# Altium PCB AMT5000-24.PcbDoc (continued)
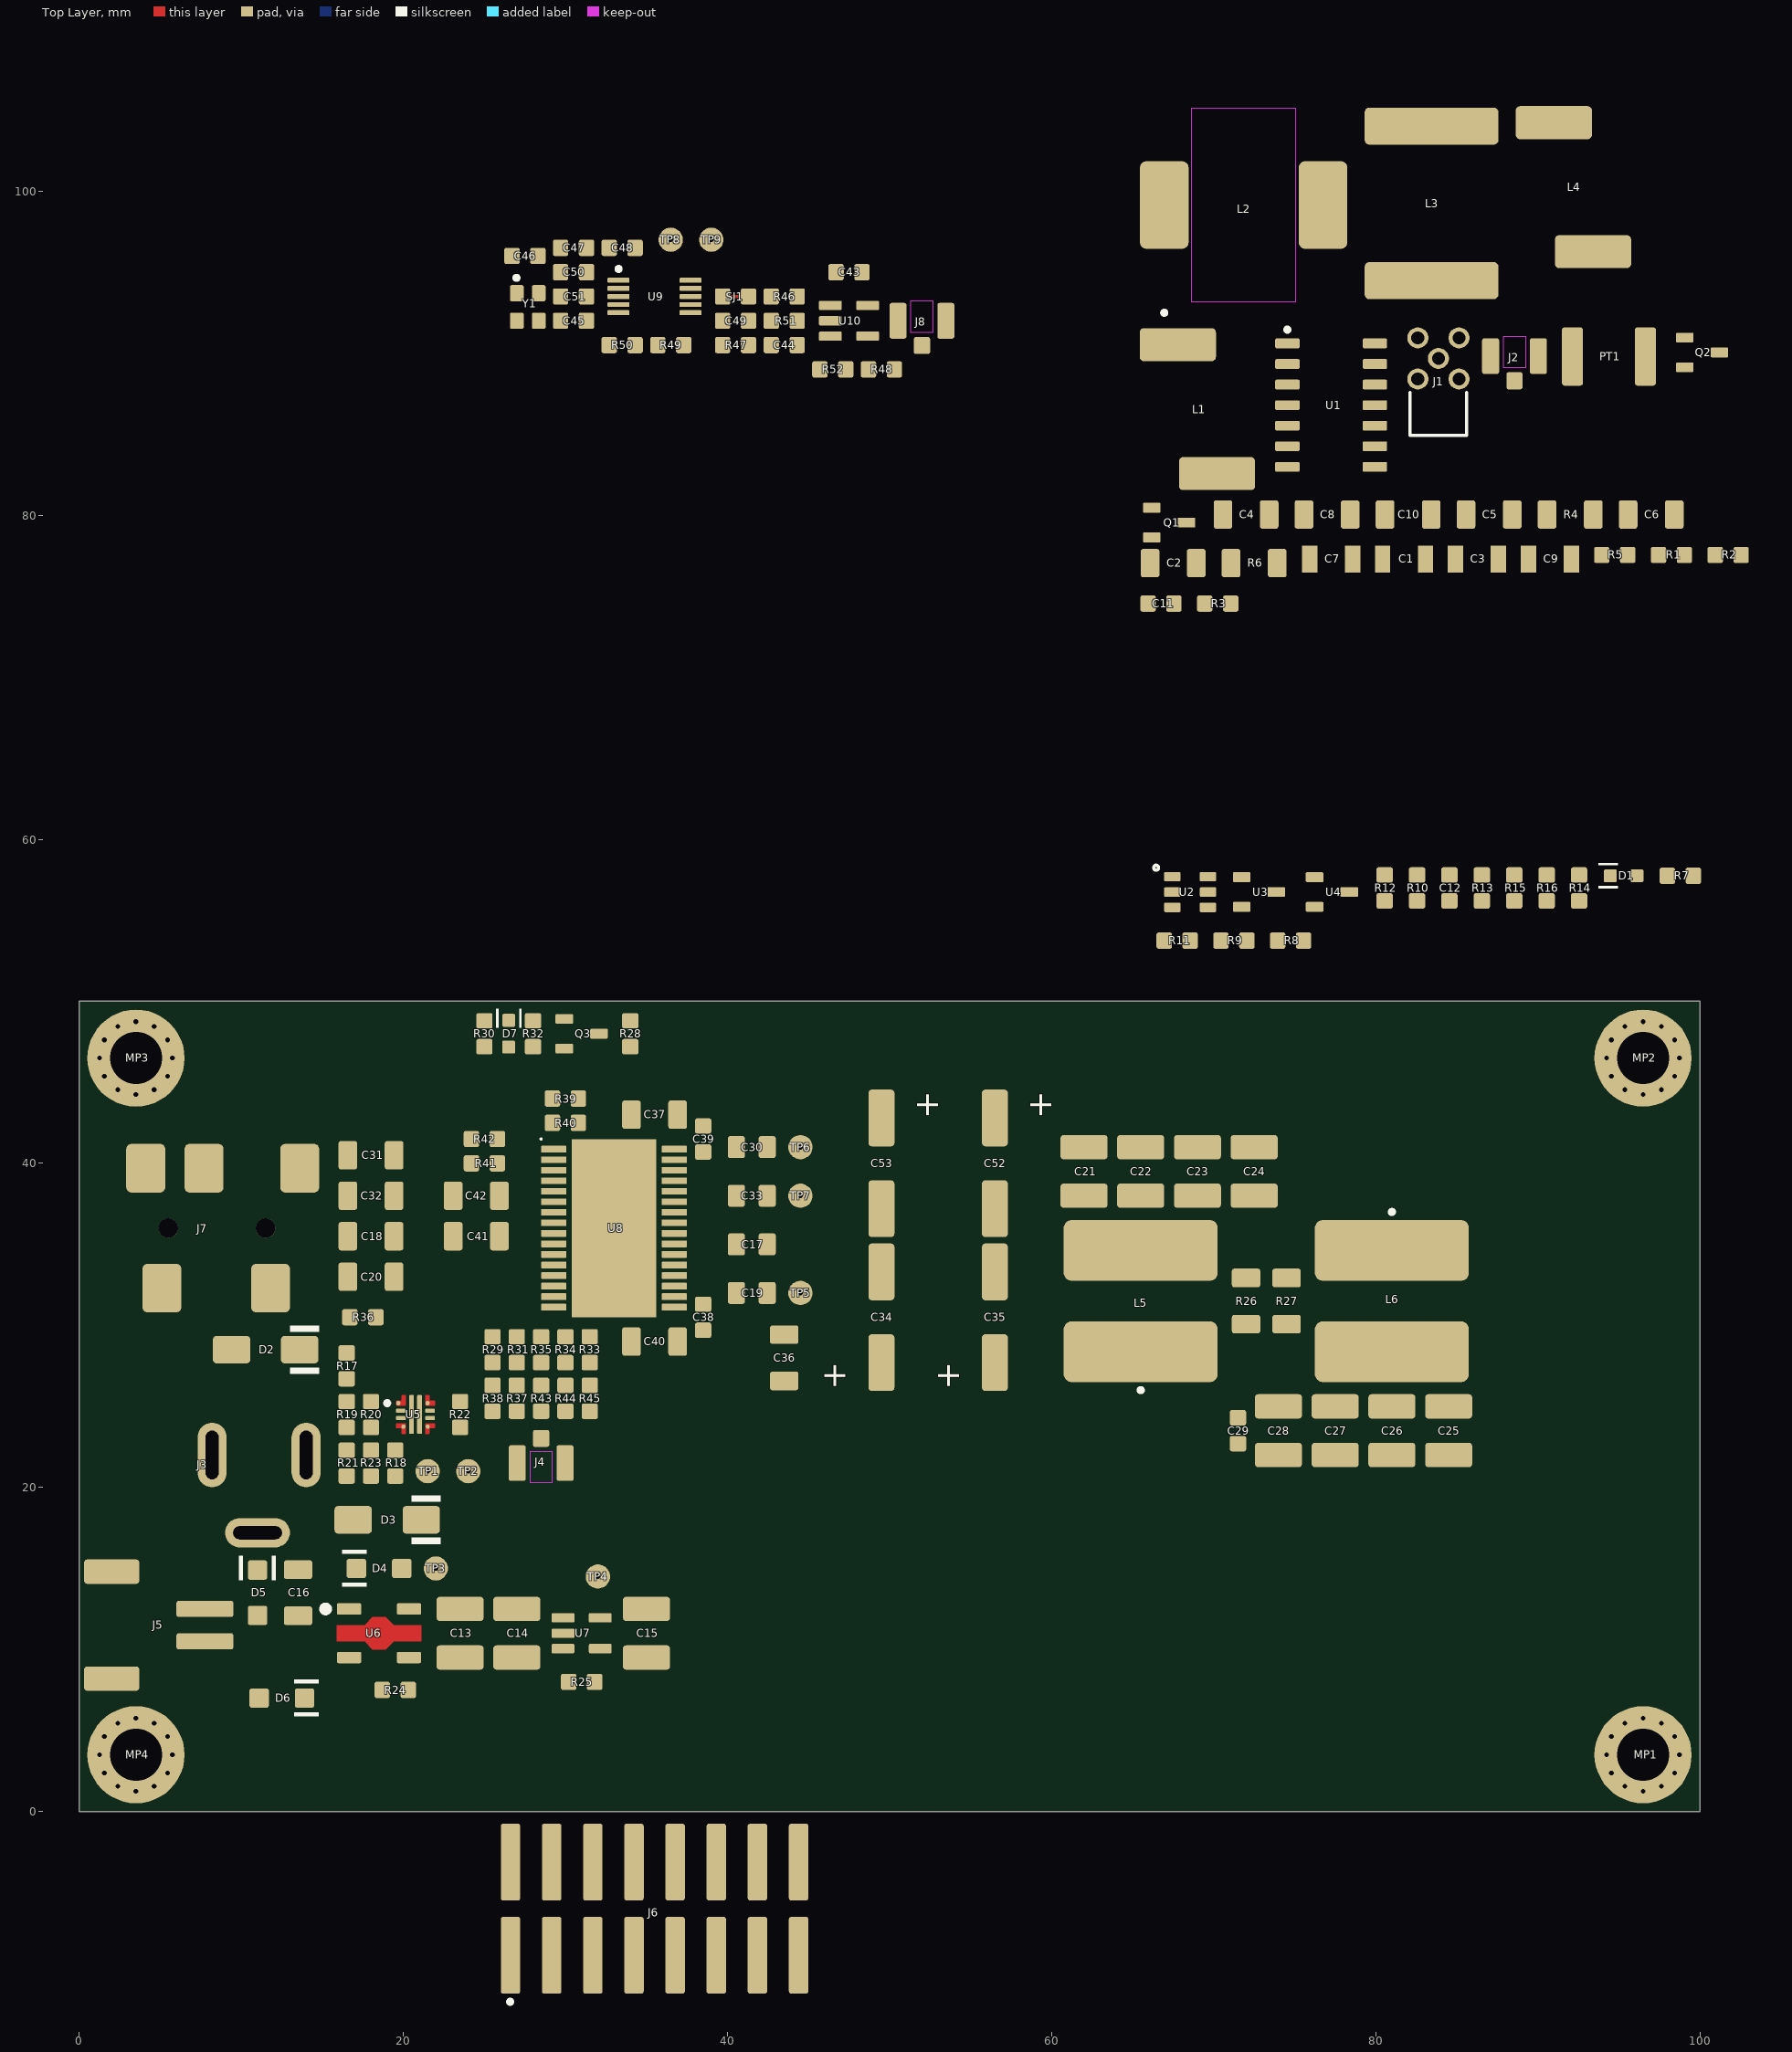
[diagram p0: Top Layer view]
## Footprints (in the part's own frame and the unit in brackets; to place one, negate y for a bottom-side part, rotate by r counter-clockwise, add the part's x,y. Pads: shape width x height; smd on the part's side, far side on the other; paste and mask are expansions set on the pad)
0603-C-N [mm]
  rrect25% 0.95x1 smd: 1(-0.8,0) 2(0.8,0)
  body extent -0.8,-0.4 0.8,0.4, height 0.81
0603-R-N [mm]
  rrect25% 0.95x1 smd: 1(-0.8,0) 2(0.8,0)
  body extent -0.8,-0.4 0.8,0.4, height 0.47
0805-C-N [mm]
  rrect25% 1.05x1.35 smd: 1(-0.95,0) 2(0.95,0)
  body extent -1,-0.63 1,0.63, height 1.26
1206-C-L [mm] "Chip Capacitor, 2-Leads, 1206, IPC High Density"
  rect 0.95x1.65 smd: 1(-1.325,0) 2(1.325,0)
  body extent -1.6,-0.8 1.6,0.8, height 1.16
1206-C-N [mm] "Chip Capacitor, 2-Leads, 1206, IPC Medium Density"
  rrect25% 1.15x1.75 smd: 1(-1.425,0) 2(1.425,0)
  body extent -1.6,-0.8 1.6,0.8, height 1.16
1206-R-N [mm] "Chip Resistor, 2-Leads, 1206, IPC Medium Density"
  rrect25% 1.15x1.75 smd: 1(-1.425,0) 2(1.425,0)
  body extent -1.6,-0.8 1.6,0.8, height 0.62
61231620621 [mm] "WR-BHD 2.54mm Male SMT Box Header (Reel), 16p"
  rrect25% 4.75x1.2 smd: 1(-2.875,8.89) 2(2.875,8.89) 3(-2.875,6.35) 4(2.875,6.35) 5(-2.875,3.81) 6(2.875,3.81) 7(-2.875,1.27) 8(2.875,1.27) 9(-2.875,-1.27) 10(2.875,-1.27) 11(-2.875,-3.81) 12(2.875,-3.81) 13(-2.875,-6.35) 14(2.875,-6.35) 15(-2.875,-8.89) 16(2.875,-8.89)
  silkscreen extent -5.87,8.78 -5.63,9.03, body extent -4.75,-13.97 4.88,13.97, height 11.35
620102131822 [mm] "2.00mm SMT Male Horizontal Shrouded Header, 2p"
  rrect25% 1x3.5 smd: 1(-1,1.75) 2(1,1.75)
  rrect25% 1.5x3.4 smd: MP1(-3.3,-4) MP2(3.3,-4)
  body extent -4,-5.6 4,3, height 5.57
694106301002 [mm] "DC Power Jack Right Angled(6.4)"
  oval 4x1.8 hole 0.8 slot 3 at 0 deg: 1(0,6.35) 2(0,0.55)
  oval 1.8x4 hole 0.8 slot 3 at 90 deg: 3(4.8,3.35)
  body extent -4.5,-7.25 5,7.25, height 10.75
66011002111501 [mm] "MMCX PCB THT Jack"
  round 1.3 hole 0.8: 1(0,0) 2(-1.27,1.27) 3(1.27,1.27) 4(1.27,-1.27) 5(-1.27,-1.27)
  silkscreen extent -1.75,-4.75 1.75,-2.1, body extent -1.75,-4.75 1.75,1.75, height 3.8
DO-214AC_UNI [mm] "SMA : 2-Leads. body 4.24x2.67mm"
  rrect25% 2.3x1.7 smd: 1(-2.1,0) 2(2.1,0)
  silkscreen extent -3.3,-1.5 -1.5,1.5, body extent -2.56,-1.33 2.56,1.34, height 2.24
FP-SOD123W-MFG [mm]
  rrect25% 1.2x1.2 smd: 1(-1.4,0) 2(1.4,0)
  silkscreen extent -2.29,-1.14 -0.76,1.14, body extent -2.2,-1.05 2.2,1.05, height 0.25
GDT_4532 [mm]
  rrect25% 1.3x3.6 smd: 1(-2.25,0) 2(2.25,0)
  body extent -2.22,-1.52 2.28,1.68, height 2.71
HRS-U.FL-R-SMT_V [mm] "SMD, 3-Leads, Body 2.6x2.6mm"
  rrect25% 1.05x2.2 smd: 1(-1.475,0) 2(1.475,0)
  rrect25% 1x1.05 smd: 3(0,-1.525)
  Top Layer keep-out region: -0.7,-0.7 0.7,-0.7 0.7,1.2 -0.7,1.2
  body extent -1.48,-1.55 1.52,1.55, height 1.25
IND_2929SQ-331 [mm]
  rrect25% 2.29x8.26 smd: 1(-4.77,0) 2(4.77,0)
  body extent -5.33,-3.88 5.33,3.87, height 7.5
PTH-M3D6.5_VIA-RING [mm]
  round 6 hole 3.2: 1(0,0)
SJ2-35863B1-SMT-TR-Footprint-1 [mm]
  rrect25% 2.4x3 smd: 1(-2.4,-3.7) 2(4.3,-3.7) 3(0.2,3.7) 4(6.1,3.7) 5(-3.4,3.7)
  round 1.2 hole 1.2 unplated: MP1(-2,0) MP2(4,0)
  body extent -7,-4.5 7,4.5, height 5
SJ_0603_1A [mm]
  rrect25% 0.95x1 smd: 1(-0.8,0) 2(0.8,0)
  Top Layer lines w0.2: 0.8,0 -0.8,0
  body extent -0.8,-0.4 0.8,0.4, height 0.47
SOIC14-N [mm] "SOIC, 14-Leads, Body 8,65x3,90mm, Pitch 1,27mm, IPC Medium Density"
  rrect25% 1.5x0.6 smd: 1(-2.7,3.81) 2(-2.7,2.54) 3(-2.7,1.27) 4(-2.7,0) 5(-2.7,-1.27) 6(-2.7,-2.54) 7(-2.7,-3.81) 8(2.7,-3.81) 9(2.7,-2.54) 10(2.7,-1.27) 11(2.7,0) 12(2.7,1.27) 13(2.7,2.54) 14(2.7,3.81)
  silkscreen extent -2.82,4.54 -2.57,4.78, body extent -3,-4.35 3,4.35, height 1.75
SOT25-N [mm] "SOT-23-5 IPC Nominal, EIAJ SC-74A, SOT753, TSOP5"
  rrect25% 1.407x0.576 smd: 1(-1.151,0.95) 2(-1.151,0) 3(-1.151,-0.95) 4(1.151,-0.95) 5(1.151,0.95)
  body extent -1.42,-1.5 1.42,1.5, height 1.2
SOT-23-3-N [mm] "SOT-23, 3-Leads, Body 3x1.4mm, Pitch 0.95mm, IPC Medium Density"
  rrect25% 1.09x0.61 smd: 1(-1.07,0.915) 2(-1.07,-0.915) 3(1.07,0)
  body extent -1.22,-1.5 1.22,1.5, height 1
SOT-23-6 [mm]
  rrect20% 1x0.58 smd: 1(-1.1,0.95) 2(-1.1,0) 3(-1.1,-0.95) 4(1.1,-0.95) 5(1.1,0) 6(1.1,0.95)
  silkscreen extent -2.25,1.35 -1.95,1.65, body extent -1.4,-1.45 1.4,1.45, height 1.45
SOT-89-MT5_N [mm] "SOT89, 5-Leads, Body 4.5x2.4 mm, Pitch 1.5mm, Lead Span 4.2mm, IPC Medium Density"
  rrect25% 1.5x0.7 smd: 1(-1.85,1.5) 3(-1.85,-1.5) 4(1.85,-1.5) 5(1.85,1.5)
  round 0.025 smd: 2(0,0)
  Top Layer region: -2.6,-0.5 -2.6,0.5 -0.9,0.5 -0.4,1 0.4,1 0.9,0.5 2.6,0.5 2.6,-0.5 0.9,-0.5 0.4,-1 -0.4,-1 -0.9,-0.5
  silkscreen extent -3.44,1.36 -3.16,1.64, body extent -2.24,-2.25 2.26,2.25, height 1.54
TP_1.5mm_0.3mmHole [mm] "Centering hole to keep your DMM-probe in place so that it doesn't skid off to other signals."
  round 1.5 / inner round 0.6 / far side round 0.6 hole 0.3: 1(0,0)
TSSOP28_PPad [mm]
  rrect25% 1.57x0.41 smd: 1(-3.72,4.875) 2(-3.72,4.225) 3(-3.72,3.575) 4(-3.72,2.925) 5(-3.72,2.275) 6(-3.72,1.625) 7(-3.72,0.975) 8(-3.72,0.325) 9(-3.72,-0.325) 10(-3.72,-0.975) 11(-3.72,-1.625) 12(-3.72,-2.275) 13(-3.72,-2.925) 14(-3.72,-3.575) 15(-3.72,-4.225) 16(-3.72,-4.875) 17(3.72,-4.875) 18(3.72,-4.225) 19(3.72,-3.575) 20(3.72,-2.925) 21(3.72,-2.275) 22(3.72,-1.625) 23(3.72,-0.975) 24(3.72,-0.325) 25(3.72,0.325) 26(3.72,0.975) 27(3.72,1.625) 28(3.72,2.275) 29(3.72,2.925) 30(3.72,3.575) 31(3.72,4.225) 32(3.72,4.875)
  rect 5.2x11 smd paste-7 mask+0: 33(0,0)
  silkscreen extent -4.55,5.45 -4.45,5.55, body extent -4.05,-5.5 4.05,5.5, height 1.2
VQFN-HR [mm]
  round 0.27 smd paste-1000 mask+0: 1(-1.05,0.7) 10(0.75,0.7)
  rrect40% 0.6x0.25 smd paste+0 mask+0: 2(-0.9,0.225) 3(-0.9,-0.225) 8(0.9,-0.225) 9(0.9,0.225)
  round 0.255 smd paste-1000 mask+0: 4(-0.75,-0.75) 7(0.75,-0.75)
  rrect33% 0.3x2.4 smd paste-1000 mask+0: 5(-0.25,0) 6(0.25,0)
  Top Layer region: 0.85,0.85 0.85,1.15 0.846,1.169 0.835,1.185 0.819,1.196 0.8,1.2 0.8,1.2 0.65,1.2 0.631,1.196 0.615,1.185 0.604,1.169 0.6,1.15 0.6,1.15 0.6,0.6 0.604,0.581 0.615,0.565 0.631,0.554 0.65,0.55 0.65,0.55 1.15,0.55 1.169,0.554 1.185,0.565 1.196,0.581 1.2,0.6 1.2,0.6 1.2,0.8 1.196,0.819 1.185,0.835 1.169,0.846 1.15,0.85 1.15,0.85
  Top Layer region: 0.85,-0.85 0.85,-1.15 0.846,-1.169 0.835,-1.185 0.819,-1.196 0.8,-1.2 0.8,-1.2 0.65,-1.2 0.631,-1.196 0.615,-1.185 0.604,-1.169 0.6,-1.15 0.6,-1.15 0.6,-0.6 0.604,-0.581 0.615,-0.565 0.631,-0.554 0.65,-0.55 0.65,-0.55 1.15,-0.55 1.169,-0.554 1.185,-0.565 1.196,-0.581 1.2,-0.6 1.2,-0.6 1.2,-0.8 1.196,-0.819 1.185,-0.835 1.169,-0.846 1.15,-0.85 1.15,-0.85
  Top Layer region: -0.85,-0.85 -0.85,-1.15 -0.846,-1.169 -0.835,-1.185 -0.819,-1.196 -0.8,-1.2 -0.8,-1.2 -0.65,-1.2 -0.631,-1.196 -0.615,-1.185 -0.604,-1.169 -0.6,-1.15 -0.6,-1.15 -0.6,-0.6 -0.604,-0.581 -0.615,-0.565 -0.631,-0.554 -0.65,-0.55 -0.65,-0.55 -1.15,-0.55 -1.169,-0.554 -1.185,-0.565 -1.196,-0.581 -1.2,-0.6 -1.2,-0.6 -1.2,-0.8 -1.196,-0.819 -1.185,-0.835 -1.169,-0.846 -1.15,-0.85 -1.15,-0.85
  Top Layer region: -0.85,0.85 -0.85,1.15 -0.843,1.175 -0.825,1.193 -0.8,1.2 -0.8,1.2 -0.65,1.2 -0.631,1.196 -0.615,1.185 -0.604,1.169 -0.6,1.15 -0.6,1.15 -0.6,0.6 -0.604,0.581 -0.615,0.565 -0.631,0.554 -0.65,0.55 -0.65,0.55 -1.15,0.55 -1.169,0.554 -1.185,0.565 -1.196,0.581 -1.2,0.6 -1.2,0.6 -1.2,0.8 -1.193,0.825 -1.175,0.843 -1.15,0.85 -1.15,0.85
  silkscreen extent -1.87,0.58 -1.62,0.82, body extent -1.3,-1.3 1.3,1.3, height 0.25
VSSOP10-N [mm] "MSOP10, TSSOP, 10-Leads, Body 3.00x3.00mm, Pitch 0.50mm, IPC Medium Density"
  rrect25% 1.35x0.3 smd: 1(-2.225,1) 2(-2.225,0.5) 3(-2.225,0) 4(-2.225,-0.5) 5(-2.225,-1) 6(2.225,-1) 7(2.225,-0.5) 8(2.225,0) 9(2.225,0.5) 10(2.225,1)
  silkscreen extent -2.35,1.58 -2.1,1.82, body extent -2.45,-1.55 2.45,1.55, height 1.1
WCAP-CSGP_1210_L3.2W2.5H2 [mm] "Ceramic Capacitors, body 3.2x2.5mm"
  rrect25% 1.5x2.9 smd: 1(-1.5,0) 2(1.5,0)
  body extent -1.6,-1.25 1.6,1.25, height 2
WCAP-CSGP_1210_L3.2W2.5H2.5 [mm] "Ceramic Capacitors, body 3.2x2.5mm"
  rrect25% 1.5x2.9 smd: 1(-1.5,0) 2(1.5,0)
  body extent -1.6,-1.25 1.6,1.25, height 2.5
WCAP-HSAH_D6.3H7.7 [mm] "Aluminum Hybrid Polymer Capacitor, SMT, body diameter 6.3mm"
  rrect25% 3.5x1.6 smd: 1(-2.8,0) 2(2.8,0)
  body extent -3.6,-3.3 3.6,3.3, height 7.75
WE-CAIR_5910 [mm] "SMD Inductor, 2-Leads, Body 10.55x6.35mm"
  rrect25% 2.04x4.7 smd: 1(-3.98,-1.21) 2(3.98,1.21)
  body extent -4.5,-3.17 4.5,3.17, height 4.35
WE-PD2_1054 [mm] "SMD Power Inductor, 2-Leads, body 10x9mm"
  rrect25% 3.75x9.5 smd: 1(-3.125,0) 2(3.125,0)
  silkscreen extent -5.62,-0.13 -5.38,0.12, body extent -5.04,-4.5 5.04,4.5, height 5.43
WE-PDA_1260 [mm] "SMD Shielded Power Inductor, 2-leads, body 12x12mm"
  rrect25% 3x5.4 smd: 1(-4.9,0) 2(4.9,0)
  Top Layer keep-out region: -3.2,-6 -3.2,6 3.2,6 3.2,-6
  silkscreen extent -5.02,-6.77 -4.77,-6.53, body extent -6,-6 6,6, height 5.9
WE-SPXO_IQXO-791 [mm] "Simple Packaged Quartz Oscillator, body 2.5x2mm"
  rrect25% 1x0.85 smd: 1(-0.85,-0.675) 2(0.85,-0.675) 3(0.85,0.675) 4(-0.85,0.675)
  silkscreen extent -1.92,-0.82 -1.68,-0.57, body extent -1.25,-1 1.25,1, height 0.85
WL-SMCW_0603_150060xx8x000 [mm] "SMD Mono-color Chip LED, body 1.6x0.8mm"
  rrect25% 0.8x0.8 smd: 1(-0.825,0) 2(0.825,0)
  silkscreen extent -1.55,-0.78 -0.35,0.79, body extent -0.8,-0.4 0.8,0.4, height 0.95

## Part data
C1: library part CMP-072-000282-14, "WCAP-CSGP Multilayer Ceramic Chip Capacitor, General Purpose, size 1206, NP0, 33pF, 50VDC", Capacitor Type=MLCC, Case/Package=1206, Dielectric=NP0, Insulation Resistance=10GO, JLCPCB Part #=C571053, Max Operating Temperature=125°C, Min Operating Temperature=-55°C, Tolerance=5%, Voltage Rating=50V, ComponentLink1Description="Website Link", ComponentLink1URL=https://www.we-online.com/redexpert/article/885012008040?ad, ComponentLink2Description="Datasheet Link", ComponentLink2URL=https://www.we-online.com/redexpert/spec/885012008040?ad, Design Item ID=885012008040, Height=0.8mm, Length=3.2mm, Match Code=WCAP-CSGP, Mounting Technology=SMT, Packaging="Tape and Reel", Pins=2, Q Factor=1000, Source=WCAP-CSGP.SchLib, Technical Reference=NP01206330J050DFCT10000, Usage="General Purpose", Width=1.6mm
C2 C6: library part CMP-072-000302-14, "WCAP-CSGP Multilayer Ceramic Chip Capacitor, General Purpose, size 1206, NP0, 150pF, 100VDC", Capacitor Type=MLCC, Case/Package=1206, Dielectric=NP0, Insulation Resistance=10GO, JLCPCB Part #=C162445, Max Operating Temperature=125°C, Min Operating Temperature=-55°C, Tolerance=5%, Voltage Rating=100V, ComponentLink1Description="Website Link", ComponentLink1URL=https://www.we-online.com/redexpert/article/885012008068?ad, ComponentLink2Description="Datasheet Link", ComponentLink2URL=https://www.we-online.com/redexpert/spec/885012008068?ad, Design Item ID=885012008068, Height=0.8mm, Length=3.2mm, Match Code=WCAP-CSGP, Mounting Technology=SMT, Packaging="Tape and Reel", Pins=2, Q Factor=1000, Source=WCAP-CSGP.SchLib, Technical Reference=NP01206151J100DFCT10000, Usage="General Purpose", Width=1.6mm
C3: library part CMP-072-000305-14, "WCAP-CSGP Multilayer Ceramic Chip Capacitor, General Purpose, size 1206, NP0, 680pF, 100VDC", Capacitor Type=MLCC, Case/Package=1206, Dielectric=NP0, Insulation Resistance=10GO, JLCPCB Part #=C541497, Max Operating Temperature=125°C, Min Operating Temperature=-55°C, Tolerance=5%, Voltage Rating=100V, ComponentLink1Description="Website Link", ComponentLink1URL=https://www.we-online.com/redexpert/article/885012008072?ad, ComponentLink2Description="Datasheet Link", ComponentLink2URL=https://www.we-online.com/redexpert/spec/885012008072?ad, Design Item ID=885012008072, Height=0.8mm, Length=3.2mm, Match Code=WCAP-CSGP, Mounting Technology=SMT, Packaging="Tape and Reel", Pins=2, Q Factor=1000, Source=WCAP-CSGP.SchLib, Technical Reference=NP01206681J100DFCT10000, Usage="General Purpose", Width=1.6mm
C4: library part CMP-001-00140-2, "Surface Mount Ceramic Multilayer Capacitor 18pF 5% C0G 1kV 1206 Blister T/R", Case/Package=1206, JLCPCB Part #=C33039, Max Operating Temperature=125°C, Min Operating Temperature=-55°C, Tolerance=5%, Voltage Rating=1kV, Length=0.126inch, Mounting Technology="Surface Mount", Packaging="Tape and Reel", RoHS Compliant=Yes, Series=CC, Thickness=0.057inch, Width=0.063inch
C5: library part CMP-082-000014-11, "WCAP-CSMH Multilayer Ceramic Chip Capacitor, Mid and High Voltage, 1206, NP0 Class I, 100pF, 630VDC", Capacitor Type=MLCC, Case/Package=1206, Dielectric="NP0 Class I", Insulation Resistance=10GOhm, JLCPCB Part #=C9188, Max Operating Temperature=125°C, Min Operating Temperature=-55°C, Tolerance=5%, Voltage Rating=630V, ComponentLink1Description="Manufacturer Link", ComponentLink1URL=https://www.we-online.com/redexpert/article/885342008004?ad, ComponentLink2Description=Datasheet, ComponentLink2URL=https://www.we-online.com/redexpert/spec/885342008004?ad, Design Item ID=885342008004, Height=0.8mm, Length=3.2mm, Match Code=WCAP-CSMH, Mounting Technology=SMT, Packaging="Tape and Reel", Pins=2, Q Factor=1000, Source=WCAP-CSMH.SchLib, Technical Reference=NP01206101J630DFCT10000, Usage="Mid and High Voltage", Width=1.6mm
C7 C9: library part CMP-072-000304-14, "WCAP-CSGP Multilayer Ceramic Chip Capacitor, General Purpose, size 1206, NP0, 470pF, 100VDC", Capacitor Type=MLCC, Case/Package=1206, Dielectric=NP0, Insulation Resistance=10GO, JLCPCB Part #=C107177, Max Operating Temperature=125°C, Min Operating Temperature=-55°C, Tolerance=5%, Voltage Rating=100V, ComponentLink1Description="Website Link", ComponentLink1URL=https://www.we-online.com/redexpert/article/885012008071?ad, ComponentLink2Description="Datasheet Link", ComponentLink2URL=https://www.we-online.com/redexpert/spec/885012008071?ad, Design Item ID=885012008071, Height=0.8mm, Length=3.2mm, Match Code=WCAP-CSGP, Mounting Technology=SMT, Packaging="Tape and Reel", Pins=2, Q Factor=1000, Source=WCAP-CSGP.SchLib, Technical Reference=NP01206471J100DFCT10000, Usage="General Purpose", Width=1.6mm
C8 C10: library part CMP-001-00141-1, "Cap Ceramic 82pF 1000V C0G 5% Pad SMD 1206 125C T/R", Case Code (Metric)=3216, Case/Package=1206, JLCPCB Part #=C396810, Voltage Rating (DC)=1kV, Lead Free="Lead Free", RoHS Compliant=Yes
C11 C12 C43 C46 C48 C49: library part CMP-072-000619-14, "WCAP-CSGP Multilayer Ceramic Chip Capacitor, General Purpose, size 0603, X7R, 100nF, 50VDC", Capacitor Type=MLCC, Case/Package=0603, Dielectric=X7R, Insulation Resistance=5GO, JLCPCB Part #=C14663, Max Operating Temperature=125°C, Min Operating Temperature=-55°C, Tolerance=10%, Voltage Rating=50V, ComponentLink1Description="Website Link", ComponentLink1URL=https://www.we-online.com/redexpert/article/885012206095?ad, ComponentLink2Description="Datasheet Link", ComponentLink2URL=https://www.we-online.com/redexpert/spec/885012206095?ad, Design Item ID=885012206095, Dissipation Factor=3%, Height=0.8mm, Length=1.6mm, Match Code=WCAP-CSGP, Mounting Technology=SMT, Packaging="Tape and Reel", Pins=2, Source=WCAP-CSGP.SchLib, Technical Reference=X7R0603104K050DFCT10000, Usage="General Purpose", Width=0.8mm
C13 C14 C15: library part CMP-072-000884-17, "WCAP-CSGP Multilayer Ceramic Chip Capacitor, General Purpose, size 1210, X7R, 10µF, 16VDC", Capacitor Type=MLCC, Case/Package=1210, Dielectric=X7R, Insulation Resistance=0.1GO, JLCPCB Part #=C319189, Max Operating Temperature=125°C, Min Operating Temperature=-55°C, Tolerance=10%, Voltage Rating=16V, ComponentLink1Description="Website Link", ComponentLink1URL=https://www.we-online.com/redexpert/article/885012209014?ad, ComponentLink2Description="Datasheet Link", ComponentLink2URL=https://www.we-online.com/redexpert/spec/885012209014?ad, Design Item ID=885012209014, Dissipation Factor=5%, FLIR Part #=YCAM10U-8, Height=2mm, Length=3.2mm, Match Code=WCAP-CSGP, Mounting Technology=SMT, Packaging="Tape and Reel", Pins=2, Source=WCAP-CSGP.SchLib, Technical Reference=X7R1210106K016DFCT10000, Usage="General Purpose", Width=2.5mm
C16 C18 C20 C31 C32 C36 C37 C40 C41 C42: library part CMP-072-000852-15, "WCAP-CSGP Multilayer Ceramic Chip Capacitor, General Purpose, size 1206, X7R, 1µF, 50VDC", Capacitor Type=MLCC, Case/Package=1206, Dielectric=X7R, Insulation Resistance=0.5GO, JLCPCB Part #=C1848, Max Operating Temperature=125°C, Min Operating Temperature=-55°C, Tolerance=10%, Voltage Rating=50V, ComponentLink1Description="Website Link", ComponentLink1URL=https://www.we-online.com/redexpert/article/885012208093?ad, ComponentLink2Description="Datasheet Link", ComponentLink2URL=https://www.we-online.com/redexpert/spec/885012208093?ad, Design Item ID=885012208093, Dissipation Factor=3%, Height=1.6mm, Length=3.2mm, Match Code=WCAP-CSGP, Mounting Technology=SMT, Packaging="Tape and Reel", Page Part #=CCOK105, Pins=2, Source=WCAP-CSGP.SchLib, Technical Reference=X7R1206105K050DFCT10000, Usage="General Purpose", Width=1.6mm
C17 C19 C30 C33: library part CMP-072-000738-14, "WCAP-CSGP Multilayer Ceramic Chip Capacitor, General Purpose, size 0805, X7R, 220nF, 50VDC", Capacitor Type=MLCC, Case/Package=0805, Dielectric=X7R, Insulation Resistance=2.3GO, JLCPCB Part #=C5378, Max Operating Temperature=125°C, Min Operating Temperature=-55°C, Tolerance=10%, Voltage Rating=50V, ComponentLink1Description="Website Link", ComponentLink1URL=https://www.we-online.com/redexpert/article/885012207100?ad, ComponentLink2Description="Datasheet Link", ComponentLink2URL=https://www.we-online.com/redexpert/spec/885012207100?ad, Design Item ID=885012207100, Dissipation Factor=3%, Height=1.25mm, Length=2mm, Match Code=WCAP-CSGP, Mounting Technology=SMT, Packaging="Tape and Reel", Pins=2, Source=WCAP-CSGP.SchLib, Technical Reference=X7R0805224K050DFCT10000, Usage="General Purpose", Width=1.25mm
C21 C22 C23 C24 C25 C26 C27 C28: library part CMP-072-000922-14, "WCAP-CSGP Multilayer Ceramic Chip Capacitor, General Purpose, size 1210, X7R, 10µF, 50VDC", Capacitor Type=MLCC, Case/Package=1210, Dielectric=X7R, Insulation Resistance=0.01GO, JLCPCB Part #=C2918502, Max Operating Temperature=125°C, Min Operating Temperature=-55°C, Tolerance=10%, Voltage Rating=50V, ComponentLink1Description="Website Link", ComponentLink1URL=https://www.we-online.com/redexpert/article/885012209073?ad, ComponentLink2Description="Datasheet Link", ComponentLink2URL=https://www.we-online.com/redexpert/spec/885012209073?ad, Design Item ID=885012209073, Dissipation Factor=10%, Height=2.5mm, Length=3.2mm, Match Code=WCAP-CSGP, Mounting Technology=SMT, Packaging="Tape and Reel", Pins=2, Source=WCAP-CSGP.SchLib, Technical Reference=X7R1210106K050DFCT10000, Usage="General Purpose", Width=2.5mm
C29 C38 C39: library part CMP-072-000626-14, "WCAP-CSGP Multilayer Ceramic Chip Capacitor, General Purpose, size 0603, X7R, 1nF, 100VDC", Capacitor Type=MLCC, Case/Package=0603, Dielectric=X7R, Insulation Resistance=10GO, JLCPCB Part #=C182247, Max Operating Temperature=125°C, Min Operating Temperature=-55°C, Tolerance=10%, Voltage Rating=100V, ComponentLink1Description="Website Link", ComponentLink1URL=https://www.we-online.com/redexpert/article/885012206108?ad, ComponentLink2Description="Datasheet Link", ComponentLink2URL=https://www.we-online.com/redexpert/spec/885012206108?ad, Design Item ID=885012206108, Dissipation Factor=2.5%, Height=0.8mm, Length=1.6mm, Match Code=WCAP-CSGP, Mounting Technology=SMT, Packaging="Tape and Reel", Pins=2, Source=WCAP-CSGP.SchLib, Technical Reference=X7R0603102K100DFCT10000, Usage="General Purpose", Width=0.8mm
C34 C35 C52 C53: library part CMP-171-000008-3, "WCAP-HSAH Aluminum Hybrid Polymer Capacitor, SMT, D6.3 x H7.7mm, 100uF, 25V", Capacitance=100uF, JLCPCB Part #=C22395169, Leakage Current=25uA, Manufacturer="Wurth Elektronik", Operating Temperature Max=125°C, Operating Temperature Min=-55°C, Rated Voltage (DC)=25V, Ripple Current=1400mA, Category="Aluminum Hybrid Polymer Capacitors", Component Type=Standard, ComponentLink1Description="Website Link", ComponentLink1URL=https://www.we-online.com/redexpert/article/875585545003?ad, ComponentLink2Description="Datasheet Link", ComponentLink2URL=https://www.we-online.com/redexpert/spec/875585545003?ad, Design Item ID=875585545003, Diameter=6.3mm, Dissipation Factor=14%, Endurance=4000h, ESR=30mOhm, Height=7.7mm, Manufacturer Part Number=875585545003, Match Code=WCAP-HSAH, Mount="Surface Mount", Packaging="Tape and Reel", Pin Count=2, Source=WCAP-HSAH.SchLib
C44 C45 C47 C50 C51: library part CMP-001-00137-5, "Multilayer Ceramic Capacitor, Grm Series, 0.01 F, 5%, C0g / Np0, 50 V, 0603 [1608 Metric]", Case Code (Imperial)=0603, Case Code (Metric)=1608, Dielectric=C0G, JLCPCB Part #=C85973, Max Operating Temperature=125°C, Min Operating Temperature=-55°C, Package Quantity=4000, Temperature Coefficient=30ppm/°C, Tolerance=5%, Voltage=50V, Case/Package=0603, Depth=0.8mm, FLIR Part #=YCAM10N-7, Height=0.8mm, Lead Free="Lead Free", Lead Pitch=0.5mm, Length=1.6mm, Material=Ceramic, Mounting Technology="Surface Mount", Packaging="Cut Tape", Reach SVHC Compliant=No, RoHS Compliant=Yes, Series=GRM, Termination=SMD/SMT, Thickness=0.035inch, Voltage Rating=50V, Voltage Rating (DC)=50V, Width=0.8mm